# Altium PCB radxa_cm3i_io_board_v1.4.PcbDoc (part 7 of 9) (continued)
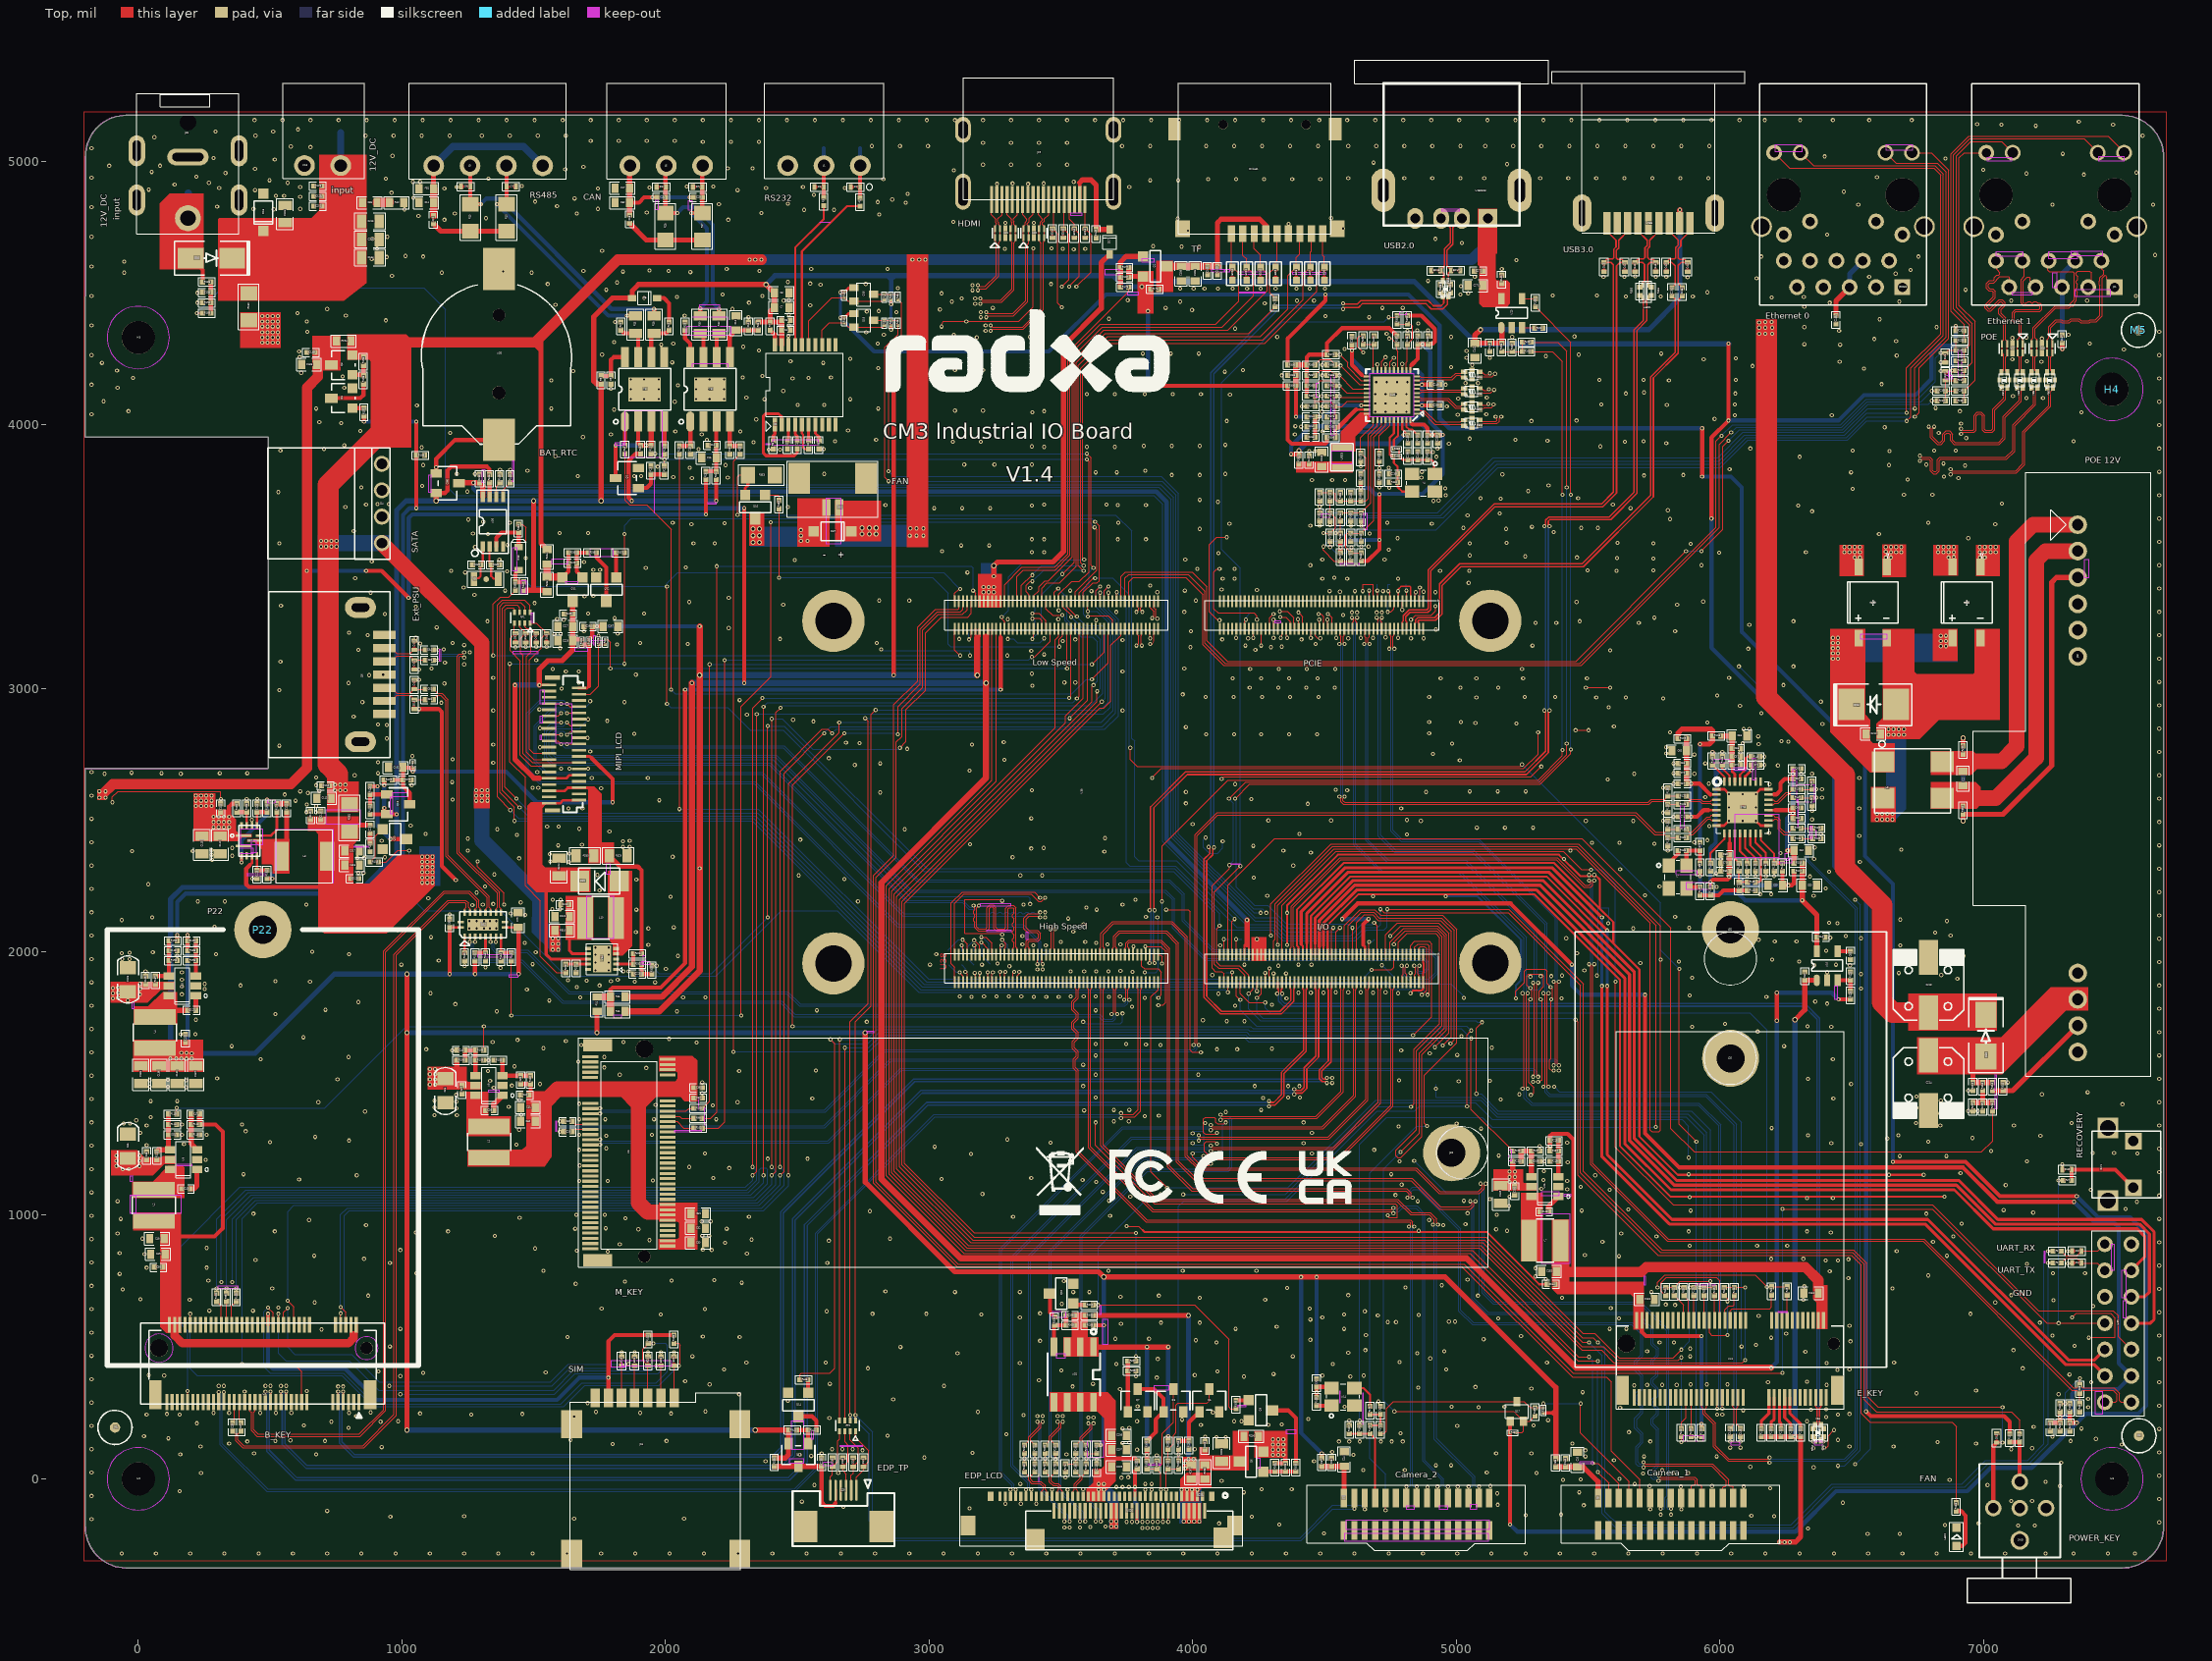
[diagram p0: Top view]
## Nets (pads, with @x,y where several pads share a name; then routed paths per layer and width w, separated by ;. In a path a pad name is that pad's centre, name@x,y a point inside that pad or via, vN(x,y) a via of type N, cw(c..) or ccw(c..) an arc to the next point about the centre after c; other vN are vias at no path point) (continued)
SATA1_RXN: C83.1 U12.11 | length 1188.1
  Top w3.94: C83.1@1120.08,3106.3 v1(1135.83,3106.3) ; v1(1236.22,3116.14) 1230.32,3122.05 1222.44,3122.05 1218.5,3118.11 1218.5,2377.95 1370.47,2225.98 1370.47,2169.29 1376.38,2163.39 U12.11@1376.38,2148.03
  Bottom w3.94: v1(1135.83,3106.3) 1135.83,3116.14 1141.73,3122.05 1230.32,3122.05 v1(1236.22,3116.14)
SATA1_RXP: C84.1 U12.12 | length 1201.6
  Top w3.94: C84.1@1120.08,3145.67 v1(1135.83,3145.67) ; v1(1236.22,3135.83) 1230.32,3129.92 1218.5,3129.92 1210.63,3122.05 1210.63,2429.13 1210.63,2374.02 1362.6,2222.05 1362.6,2169.29 1356.69,2163.39 U12.12@1356.69,2148.03
  Bottom w3.94: v1(1135.83,3145.67) 1135.83,3135.83 1141.73,3129.92 1230.32,3129.92 v1(1236.22,3135.83)
SATA1_TXN: C82.1 U12.13 | length 947.1
  Top w3.94: C82.1@1120.08,2996.06 1135.83,2980.31 1151.57,2980.31 1175.2,2956.69 1175.2,2366.14 1331.1,2210.24 1331.1,2169.29 1337.01,2163.39 U12.13@1337.01,2148.03
SATA1_TXP: C81.1 U12.14 | length 933.7
  Top w3.94: C81.1@1120.08,2956.69 1135.83,2972.44 1147.64,2972.44 1167.32,2952.76 1167.32,2362.2 1323.23,2206.3 1323.23,2169.29 1317.32,2163.39 U12.14@1317.32,2148.03
SDMMC0_CLK: R175.1 U38.57 | length 1830
  Top w3.94: U38.57@3428.15,3329.92 3428.15,3379.92 3447.83,3399.61 3496.06,3399.61 3559.06,3462.6 3559.06,4236.22 3669.29,4346.46 4212.6,4346.46 R175.1@4312.99,4446.85
SDMMC0_CMD: CN14A1.3 ED10.1 U38.62 | length 2242.9
  Top w3.94: v1(3391.73,3187.01) 3391.73,3187.99 3396.65,3192.91 U38.62@3396.65,3225.2 ; v1(3505.91,3433.07) 3551.18,3478.35 3551.18,4246.06 3663.39,4358.27 4133.86,4358.27 4283.46,4507.87 4283.46,4572.24 ED10.1@4257.87,4597.83 4257.87,4643.7 4233.86,4667.72 CN14A1.3@4233.86,4724.19
  Bottom w3.94: v1(3391.73,3187.01) 3427.17,3222.44 3427.17,3354.33 v1(3505.91,3433.07)
SDMMC0_D0: CN14A1.7 ED8.1 U38.63 | length 2285.4
  Top w3.94: U38.63@3380.91,3329.92 3380.91,3353.35 3368.11,3366.14 3368.11,3389.76 3383.86,3405.51 v1(3391.73,3405.51) ; v1(3586.61,3444.88) 3566.93,3464.57 3566.93,4224.41 3677.17,4334.65 4257.87,4334.65 4362.2,4438.98 4362.2,4566.34 ED8.1@4393.7,4597.83 4393.7,4633.86 4407.09,4647.24 CN14A1.7@4407.09,4724.19
  Bottom w3.94: v1(3391.73,3405.51) 3435.04,3448.82 3582.68,3448.82 v1(3586.61,3444.88)
SDMMC0_D1: CN14A1.8 ED7.1 U38.67 | length 2295.7
  Top w3.94: U38.67@3349.41,3329.92 3349.41,3389.76 v1(3391.73,3429.13) ; v1(3586.61,3464.57) 3574.8,3476.38 3574.8,4212.6 3683.07,4320.87 4265.75,4320.87 4419.29,4474.41 4419.29,4570.28 ED7.1@4446.85,4597.83 4446.85,4655.51 4450.39,4659.06 CN14A1.8@4450.39,4724.19
  Bottom w3.94: v1(3391.73,3429.13) 3427.17,3464.57 v1(3586.61,3464.57)
SDMMC0_D2/ARMJTAG_TCK: CN14A1.1 ED12.1 U38.69 | length 2084.4
  Top w3.94: U38.69@3333.66,3329.92 3333.66,3424.21 3358.27,3448.82 3478.35,3448.82 3535.43,3505.91 3535.43,4267.72 3649.61,4381.89 4088.58,4381.89 4175.2,4468.5 4175.2,4574.21 ED12.1@4151.57,4597.83 4147.24,4597.83 CN14A1.1@4147.24,4724.19
SDMMC0_D3/ARMJTAG_TMS: CN14A1.2 ED11.1 U38.61 | length 2029.4
  Top w3.94: U38.61@3396.65,3329.92 3396.65,3350.39 3416.34,3370.08 3416.34,3383.86 3439.96,3407.48 3451.82,3407.48 3543.31,3498.97 3543.31,4255.91 3657.48,4370.08 4112.2,4370.08 4230.32,4488.19 4230.32,4572.24 ED11.1@4204.72,4597.83 4204.72,4627.95 4190.55,4642.13 CN14A1.2@4190.55,4724.19
SDMMC0_DET_L: CN14A1.9 ED6.1 U38.76 | length 2490.9
  Top w3.94: v1(3275.59,3269.69) 3275.59,3262.8 3286.42,3251.97 U38.76@3286.42,3225.2 ; v1(3588.58,3488.19) 3582.68,3494.09 3582.68,4204.72 3687.01,4309.06 4273.62,4309.06 4470.47,4505.91 4470.47,4568.31 ED6.1@4500,4597.83 4500,4635.83 4493.7,4642.13 CN14A1.9@4493.7,4724.19
  Bottom w3.94: v1(3275.59,3269.69) 3301.18,3295.28 3301.18,3421.26 3366.14,3486.22 3586.61,3486.22 v1(3588.58,3488.19)
SDMMC_PWREN: R178.2 U38.75 | length 1459.7
  Top w3.94: U38.75@3286.42,3329.92 3286.42,3392.72 3352.36,3458.66 3476.38,3458.66 3527.56,3509.84 3527.56,4275.59 3757.87,4505.91 R178.2@3757.87,4521.65
SIM1_CLK: ED3.1 J15.C3 U7.32 | length 1862.1
  Top w3.94: U7.32@531.5,584.65 v1(531.5,625.98) ; v1(1965.75,429.13) ED3.1@1983.46,429.13 1983.46,311.02 1983.19,310.75 J15.C3@1983.19,306.5
  Bottom w3.94: v1(531.5,625.98) 531.5,476.38 561.02,446.85 801.18,446.85 911.42,336.61 1576.77,336.61 1649.61,409.45 1946.5,409.45 1965.75,428.7 v1(1965.75,429.13)
SIM1_DATA: ED2.1 J15.C7 R104.2 U7.34 | length 2343.4
  Top w3.94: v1(492.13,649.61) 511.81,629.92 U7.34@511.81,584.65 ; J15.C7@1933.19,306.5 1933.19,310.75 1933.46,311.02 1933.46,428.35 ED2.1@1934.25,429.13 1914.57,448.82 1914.57,492.13 1926.38,503.94 1926.38,505.91 R104.2@1934.25,513.78 v1(1953.94,513.78)
  Bottom w3.94: v1(492.13,649.61) 476.38,633.86 476.38,425.2 500,401.57 777.56,401.57 895.67,283.46 1602.36,283.46 1683.07,364.17 1963.78,364.17 2007.09,407.48 2007.09,505.91 1999.21,513.78 v1(1953.94,513.78)
SIM1_DET: ED1.1 J15.C9 R105.2 U7.66 | length 2475.3
  Top w3.94: U7.66@196.85,584.65 v1(196.85,625.98) ; R105.2@2032.68,513.78 2050.39,513.78 2056.3,507.87 2056.3,435.04 v1(2050.39,429.13) ED1.1@2032.68,429.13 2032.68,322.83 2033.19,322.32 J15.C9@2033.19,306.5
  Bottom w3.94: v1(196.85,625.98) 196.85,417.32 222.44,391.73 771.65,391.73 889.76,273.62 1614.17,273.62 1694.88,354.33 1975.59,354.33 v1(2050.39,429.13)
SIM1_PWR: J15.C1 R104.1 R105.1 U7.36 | length 2088.2
  Top w3.94: J15.C1@1783.19,306.5 J15.C1@1783.46,306.5
  Top w15.75: U7.36@492.13,584.65 v1@492.13,625.98 ; J15.C1@1783.46,306.5 v1(1783.46,383.86) 1783.46,521.65 1807.09,545.28 R104.1@1934.25,545.28 R105.1@2032.68,545.28
  Bottom w15.75: v1(492.13,625.98) 492.13,437.01 511.81,417.32 785.43,417.32 903.54,299.21 1588.58,299.21 1673.23,383.86 v1(1783.46,383.86)
SIM1_RESET: ED5.1 J15.C2 U7.30 | length 1741
  Top w3.94: U7.30@551.18,584.65 551.18,631.89 v1(566.93,647.64) ; v1(1859.45,435.04) 1865.35,429.13 ED5.1@1883.07,429.13 1883.46,428.74 1883.46,309.06 1883.19,308.78 J15.C2@1883.19,306.5
  Bottom w3.94: v1(566.93,647.64) 566.93,500 594.49,472.44 809.06,472.44 913.39,368.11 1564.96,368.11 1631.89,435.04 v1(1859.45,435.04)
SPKN_OUT: J6.58 U39.9 | length 4530.5
  Top w7.87: J6.58@4433.46,1988.58 4433.46,2031.5
  Top w11.81: 4433.46,2031.5 4433.46,2145.67 4588.98,2301.18 5352.36,2301.18 v1(5572.83,2080.71) ; v1(5572.83,1870.08) 5572.83,1230.31 5818.9,984.25 6789.37,984.25 7322.83,450.79 7421.65,450.79 U39.9@7461.42,490.55
  Bottom w11.81: v1(5572.83,1870.08) v1(5572.83,2080.71)
SPKP_OUT: J6.60 U39.11 | length 4616.1
  Top w7.87: 4411.81,2027.56 4417.72,2021.65 J6.60@4417.72,1988.58
  Top w11.81: 4411.81,2027.56 4411.81,2151.57 4579.13,2318.9 5364.17,2318.9 v1(5553.15,2129.92) ; v1(5553.15,1870.08) 5553.15,1222.44 5809.06,966.54 6779.53,966.54 7312.99,433.07 7421.26,433.07 7461.42,392.91 U39.11@7461.42,390.55
  Bottom w11.81: v1(5553.15,1870.08) v1(5553.15,2129.92)
TN1_V+: J21.11 U32.1 | length 1668.3
  Top w3.94: 7037.8,3496.65 7047.24,3496.65 v1(7047.24,3515.75) v1(7047.24,3535.43)
  Power w3.94: v1(6986.22,3496.06) 6994.09,3503.94 ; 6994.09,3515.75 v1(7047.24,3515.75)
  Power w31.5: 6994.09,3503.94 6994.09,3515.75 6994.09,3669.29 7080.71,3755.91 7080.71,4399.61 7145.67,4464.57 7145.67,4544.29 7198.82,4597.44 7198.82,4643.7 7238.19,4683.07 7460.24,4683.07 J21.11@7498.03,4720.87
  other v1: 7005.91,3496.06 6986.22,3515.75 7005.91,3515.75 7027.56,3515.75 6986.22,3535.43 7005.91,3535.43 7027.56,3535.43
TN2_V+: J21.12 U32.2 | length 1666.2
  Top w3.94: 6836.22,3496.65 6867.52,3496.65 v1(6868.11,3496.06)
  Power w3.94: 6879.92,3507.87 6877.95,3507.87 v1(6887.8,3498.03)
  Power w31.5: 6846.3,3501.97 6879.92,3501.97 6879.92,3507.87 6879.92,3612.2 7043.31,3775.59 7043.31,4545.28 7098.43,4600.39 7098.43,4643.7 7178.31,4723.59 7350.75,4723.59 J21.12@7398.03,4770.87
  other v1: 6828.74,3515.75 6848.43,3515.75 6868.11,3515.75 6887.8,3515.75 6828.74,3535.43 6848.43,3535.43 6868.11,3535.43 6887.8,3535.43
TP_INT_1: J6.34 RP2.6 | length 4686.6
  Top w3.94: RP2.6@2680.94,221.29 2680.94,1635.67 v1(2681.1,1635.83) ; J6.34@4622.44,1988.58 4622.44,2110.63 4651.57,2139.76 4683.07,2139.76 4704.72,2118.11 4940.55,2118.11 4982.28,2076.38 4982.28,1677.17 v1(4948.82,1643.7)
  Bottom w3.94: v1(2681.1,1635.83) 2771.65,1635.83 2820.87,1685.04 4200.79,1685.04 4218.5,1667.32 4925.2,1667.32 v1(4948.82,1643.7)
TP_INT_L: J6.95 RP1.7 | length 3979.6
  Top w3.94: v1(1427.17,2496.06) 1427.17,2549.21 1372.05,2604.33 1372.05,3311.02 1385.83,3324.8 1450.94,3324.8 1466.69,3309.06 RP1.7@1466.69,3288.22 ; v1(4133.86,1846.46) 4133.86,1884.25 J6.95@4134.25,1884.65
  Bottom w3.94: v1(1427.17,2496.06) 2328.74,2496.06 2968.5,1856.3 4124.02,1856.3 v1(4133.86,1846.46)
TP_INT_LCD: D53.1 RP1.2 U42.25 | length 631.7
  Top w3.94: RP1.2@1466.69,3247.22 1466.69,3232.28 1472.44,3226.54 1490.16,3226.54 1505.91,3210.79 1507.72,3210.79 D53.1@1509.84,3208.66 1490.16,3188.98 1490.16,3137.8 1472.44,3120.08 1472.44,2757.87 1501.18,2729.13 U42.25@1558.08,2729.13
TP_RST_1: J6.38 RP2.5 | length 4796.5
  Top w3.94: RP2.5@2660.94,221.29 2660.94,1666.85 v1(2661.42,1667.32) ; J6.38@4590.94,1988.58 4590.94,2098.82 4641.73,2149.61 4687.01,2149.61 4708.66,2127.95 4944.88,2127.95 4992.13,2080.71 4992.13,1665.35 v1(4978.35,1651.57)
  Bottom w3.94: v1(2661.42,1667.32) 2765.75,1667.32 2803.15,1704.72 4210.63,1704.72 4216.54,1698.82 4931.1,1698.82 v1(4978.35,1651.57)
TP_RST_L: J6.81 RP1.8 | length 4116
  Top w3.94: v1(1411.42,2537.4) 1362.2,2586.61 1362.2,3314.96 1381.89,3334.65 1465.04,3334.65 1486.69,3312.99 RP1.8@1486.69,3288.22 ; v1(4244.09,1850.39) 4244.09,1884.25 J6.81@4244.49,1884.65
  Bottom w3.94: v1(1411.42,2537.4) 1442.91,2505.91 2334.65,2505.91 2974.41,1866.14 4228.35,1866.14 v1(4244.09,1850.39)
TP_RST_LCD: D49.1 RP1.1 U42.23 | length 626.4
  Top w3.94: RP1.1@1486.69,3247.22 1510.66,3247.22 D49.1@1549.21,3208.66 1529.53,3188.98 1529.53,3151.57 1484.25,3106.3 1484.25,2767.72 1499.21,2752.76 U42.23@1558.08,2752.76
TP_SCL_LCD: D51.1 RP1.4 U42.27 | length 653.3
  Top w3.94: RP1.4@1426.69,3247.22 1426.69,3214.57 1431.85,3209.41 D51.1@1431.1,3208.66 1411.42,3188.98 1411.42,3141.73 1448.82,3104.33 1448.82,2746.06 1489.37,2705.51 U42.27@1558.08,2705.51
TP_SDA_LCD: D50.1 RP1.3 U42.26 | length 742.4
  Top w3.94: RP1.3@1446.69,3247.22 1446.69,3232.28 1446.85,3232.28 D50.1@1470.47,3208.66 1450.79,3188.98 1450.79,3133.86 1460.63,3124.02 1460.63,2751.97 1495.28,2717.32 U42.26@1671.26,2717.32
TX_RS232: R3.2 U1.17 | length 572.4
  Top w7.87: U1.17@2492.13,4303.15 2492.13,4671.26 2600.39,4779.53 R3.2@2600.39,4830.71
UART0_CTSN: J6.89 R49.2 R50.2 R53.1 | length 3727.4
  Top w3.94: J6.89@4181.5,1884.65 4181.5,1840.16 4214.57,1807.09 v1(4275.59,1807.09) ; v1(5763.78,726.38) 5763.78,746.06 5791.34,773.62 6133.86,773.62 v1(6179.13,728.35) R50.2@6196.85,728.35 R49.2@6255.91,728.35 ; v1(5848.43,726.38) R53.1@5864.17,726.38
  Bottom w3.94: v1(4275.59,1807.09) 4275.59,1787.4 4295.28,1767.72 6114.17,1767.72 6179.13,1702.76 v1(6179.13,728.35) ; v1(5763.78,726.38) v1(5848.43,726.38)
UART0_RTSN: J6.83 R51.1 R54.1 | length 2992.3
  Top w3.94: v1(4212.6,1840.55) 4228.74,1856.69 J6.83@4228.74,1884.65 ; v1(5076.77,1460.63) 5076.77,1710.63 v1(5098.43,1732.28) ; R51.1@5795.28,726.38 R54.1@5826.77,726.38 5850.39,750 v1(5964.57,750)
  Bottom w3.94: v1(4212.6,1840.55) 4212.6,1783.46 4257.87,1738.19 5074.8,1738.19 5080.71,1732.28 v1(5098.43,1732.28) ; v1(5076.77,1460.63) 5094.49,1460.63 5159.45,1395.67 5891.73,1395.67 5964.57,1322.83 v1(5964.57,750)
UART0_RX: J6.75 R45.2 | length 3838.1
  Top w3.94: v1(2846.46,3822.83) 2846.46,4289.37 2895.67,4338.58 2895.67,4460.63 R45.2@2881.89,4474.41 ; v1(4291.34,1937.01) 4291.34,1884.25 J6.75@4291.73,1884.65
  Power w3.94: v1(4279.53,2147.64) 4269.69,2137.8 4269.69,1958.66 v1(4291.34,1937.01)
  Bottom w3.94: v1(2846.46,3822.83) 2866.14,3803.15 3881.89,3803.15 3946.85,3738.19 3946.85,2446.85 4230.32,2163.39 4263.78,2163.39 v1(4279.53,2147.64)
UART0_TX: J6.77 R48.2 | length 3733
  Top w3.94: v1(2846.46,3785.43) 2832.68,3799.21 2832.68,4293.31 2881.89,4342.52 R48.2@2881.89,4375.98 ; v1(4275.59,1919.29) 4275.59,1884.25 J6.77@4275.98,1884.65
  Power w3.94: v1(4257.87,2147.64) 4257.87,1937.01 v1(4275.59,1919.29)
  Bottom w3.94: v1(2846.46,3785.43) 3883.86,3785.43 3937.01,3732.28 3937.01,2442.91 4232.28,2147.64 v1(4257.87,2147.64)
UART2_RX: R5.1 U38.51 | length 8811
  Top w3.94: U38.51@3475.39,3329.92 3475.39,3364.17 3489.17,3377.95 v1(3490.16,3377.95) ; v1(3637.8,2988.19) 3637.8,2948.82 2887.8,2198.82 2887.8,1183.07 3165.35,905.51 5108.27,905.51 5478.35,535.43 5519.69,535.43 v1(5537.4,517.72) ; v1(7246.06,864.17) R5.1@7263.78,864.17
  Bottom w3.94: v1(3490.16,3377.95) 3523.62,3344.49 3523.62,3259.84 3574.8,3208.66 3625.98,3208.66 3649.61,3185.04 3649.61,3000 v1(3637.8,2988.19) ; v1(5537.4,517.72) 5564.96,490.16 5564.96,-125.98 5614.17,-175.2 6269.69,-175.2 6425.2,-19.69 6919.29,-19.69 7007.87,68.9 7167.32,68.9 7230.32,131.89 7230.32,848.43 v1(7246.06,864.17)
UART2_TX: R6.1 U38.55 | length 8718
  Top w3.94: U38.55@3443.9,3329.92 3443.9,3301.3 3469.12,3277.56 v1(3505.91,3277.56) ; v1(3624.02,3011.81) 3618.11,3005.91 3618.11,2948.82 2877.95,2208.66 2877.95,1175.2 3157.48,895.67 5100.39,895.67 5478.35,517.72 v1(5503.94,517.72) ; v1(7246.06,818.9) R6.1@7263.78,818.9
  Bottom w3.94: v1(3505.91,3277.56) 3515.75,3267.72 3515.75,3255.91 3576.77,3194.88 3620.08,3194.88 3639.76,3175.2 3639.76,3027.56 v1(3624.02,3011.81) ; v1(5503.94,517.72) 5553.15,468.5 5553.15,-131.89 5606.3,-185.04 6277.56,-185.04 6431.1,-31.5 6929.13,-31.5 7019.69,59.06 7173.23,59.06 7246.06,131.89 v1(7246.06,818.9)
UART5_RX_M1: R14.1 U38.26 | length 2849.5
  Top w3.94: R14.1@1846.46,3889.76 1846.46,3712.6 1864.17,3694.88 1929.13,3694.88 2021.65,3602.36 v1(2021.65,2994.09) ; v1(3618.11,3033.46) 3618.11,3034.45 3680.12,3096.46 U38.26@3680.12,3225.2
  Bottom w3.94: v1(2021.65,2994.09) 2037.4,2978.35 3541.34,2978.35 3596.46,3033.46 v1(3618.11,3033.46)
UART5_TX_M1: R20.1 R22.1 U38.49 | length 2254.7
  Top w3.94: R22.1@1996.06,3842.52 v1(1996.06,3868.11) R20.1@1996.06,3887.8 ; U38.49@3491.14,3329.92 3492.13,3329.92 3492.13,3356.3 3541.34,3405.51 3570.87,3405.51 3606.3,3440.94 3606.3,3860.24 v1(3598.43,3868.11)
  Bottom w3.94: v1(1996.06,3868.11) v1(3598.43,3868.11)
USB2_HOST2_DM: FB15.1 J6.65 R422.1 | length 3867.4
  Top w5.91: v1(4080.71,2395.67) 4076.77,2391.73 4076.77,2368.11 4053.15,2344.49 4053.15,1830.85 4110.38,1773.62 4331.95,1773.62 4373.43,1815.1 4373.43,1855.31 4370.47,1858.27 J6.65@4370.47,1884.65 ; v1(4570.87,4438.98) 4576.77,4444.88 4629.92,4444.88 4643.7,4458.66 4885.83,4458.66 4905.51,4438.98 4948.82,4438.98 4966.54,4456.69 4966.54,4482.68 FB15.1@4970.87,4487.01 4970.87,4492.52 R422.1@4978.35,4500
  Bottom w5.91: v1(4080.71,2395.67) 4080.71,4192.91 4329.64,4441.84 4568,4441.84 v1(4570.87,4438.98)
USB2_HOST2_DP: FB15.4 J6.63 R423.1 | length 3901.4
  Top w5.91: v1(4061.02,2397.64) 4064.96,2393.7 4064.96,2372.49 4043.31,2350.84 4043.31,1826.77 4106.3,1763.78 4336.02,1763.78 4383.27,1811.02 4383.27,1855.31 4386.22,1858.27 J6.63@4386.22,1884.65 ; v1(4570.87,4460.63) 4574.8,4456.69 4624.02,4456.69 4637.8,4470.47 4893.7,4470.47 4913.39,4450.79 4942.91,4450.79 4952.76,4460.63 4952.76,4483.46 FB15.4@4949.21,4487.01 4949.21,4491.73 R423.1@4940.94,4500
  Bottom w5.91: v1(4061.02,2397.64) 4068.9,2405.51 4068.9,4196.85 4324.8,4452.76 4562.99,4452.76 v1(4570.87,4460.63)
USB2_HOST3_DM: FB4.4 J6.71 R210.1 | length 3791.3
  Top w3.94: R210.1@6354.33,159.45 6362.2,151.57 6362.2,146.85 FB4.4@6362.6,146.46
  Top w5.91: v1(4320.87,1840.55) 4325.98,1845.67 4325.98,1855.12 4323.23,1857.87 J6.71@4323.23,1884.65 ; v1(6354.33,141.73) R210.1@6354.33,159.45
  Bottom w5.91: v1(4320.87,1840.55) 4325.79,1835.63 4325.79,1812.99 4345.47,1793.31 6319.74,1793.31 6369.09,1743.95 6369.09,156.5 v1(6354.33,141.73)
USB2_HOST3_DP: FB4.1 J6.69 R209.1 | length 3788.3
  Top w3.94: FB4.1@6384.25,146.46 R209.1@6393.7,155.91
  Top w5.91: J6.69@4338.98,1884.65 4338.98,1858.27 4335.83,1855.12 4335.83,1845.28 v1(4340.55,1840.55) ; v1(6393.7,141.73) 6393.7,155.91 R209.1@6393.7,159.45
  Bottom w5.91: v1(4340.55,1840.55) 4335.63,1835.63 4335.63,1817.07 4349.55,1803.15 6323.82,1803.15 6378.94,1748.03 6378.94,156.5 v1(6393.7,141.73)
USB3_HOST1_DM: J6.47 U7.9 | length 5539
  Top w5.91: U7.9@757.87,291.34 v1(757.87,330.71) ; v1(4509.84,1501.97) 4504.92,1506.89 4492.13,1506.89 4480.32,1518.7 4480.32,1551.18 4515.16,1586.02 4515.16,1855.31 4512.2,1858.27 J6.47@4512.2,1884.65
  Bottom w5.91: v1(757.87,330.71) 762.8,325.79 762.8,135.83 815.94,82.68 2415.49,82.68 2446.85,114.03 2446.85,1007.87 2945.87,1506.89 4504.92,1506.89 v1(4509.84,1501.97)
USB3_HOST1_DP: J6.45 U7.7 | length 5506.4
  Top w5.91: U7.7@777.56,291.34 v1(777.56,330.71) ; v1(4509.84,1521.65) 4504.92,1516.73 4496.2,1516.73 4490.16,1522.78 4490.16,1547.1 4525,1581.95 4525,1855.31 4527.95,1858.27 J6.45@4527.95,1884.65
  Bottom w5.91: v1(777.56,330.71) 772.64,325.79 772.64,139.9 820.02,92.52 2411.42,92.52 2437.01,118.11 2437.01,1011.95 2941.79,1516.73 4504.92,1516.73 v1(4509.84,1521.65)
USB3_HOST1_SSRXN: J6.59 U7.35 | length 5742
  Top w5.91: U7.35@501.97,291.34 v1(501.97,330.71) ; v1(4289.37,1433.07) 4294.29,1428.15 4308.07,1428.15 4336.61,1456.69 4336.61,1541.86 4420.67,1625.91 4420.67,1855.31 4417.72,1858.27 J6.59@4417.72,1884.65
  Bottom w5.91: v1(501.97,330.71) 497.05,325.79 497.05,108.41 600.53,4.92 2466.54,4.92 2527.56,65.94 2527.56,964.71 2991,1428.15 4284.45,1428.15 v1(4289.37,1433.07)
USB3_HOST1_SSRXP: J6.57 U7.37 | length 5774.7
  Top w5.91: U7.37@482.28,291.34 v1(482.28,330.71) ; v1(4289.37,1413.39) 4294.29,1418.31 4312.15,1418.31 4346.46,1452.62 4346.46,1537.78 4430.51,1621.84 4430.51,1855.31 4433.46,1858.27 J6.57@4433.46,1884.65
  Bottom w5.91: v1(482.28,330.71) 487.2,325.79 487.2,104.33 596.46,-4.92 2470.61,-4.92 2537.4,61.87 2537.4,960.63 2995.08,1418.31 4284.45,1418.31 v1(4289.37,1413.39)
USB3_HOST1_SSTXN: J6.53 U7.29 | length 5681.6
  Top w5.91: U7.29@561.02,291.34 v1(561.02,330.71) ; v1(4385.83,1478.35) 4390.75,1473.43 4411.35,1473.43 4423.23,1485.31 4423.23,1559.06 4467.91,1603.74 4467.91,1855.31 4464.96,1858.27 J6.53@4464.96,1884.65
  Bottom w5.91: v1(561.02,330.71) 556.1,325.79 556.1,134 639.9,50.2 2440.81,50.2 2482.28,91.68 2482.28,986.36 2969.35,1473.43 4380.91,1473.43 v1(4385.83,1478.35)
USB3_HOST1_SSTXP: J6.51 U7.31 | length 5714.3
  Top w5.91: U7.31@541.34,291.34 v1(541.34,330.71) ; v1(4385.83,1458.66) 4390.75,1463.58 4415.42,1463.58 4433.07,1481.23 4433.07,1554.98 4477.76,1599.66 4477.76,1855.31 4480.71,1858.27 J6.51@4480.71,1884.65
  Bottom w5.91: v1(541.34,330.71) 546.26,325.79 546.26,129.92 635.83,40.35 2444.88,40.35 2492.13,87.6 2492.13,982.28 2973.43,1463.58 4380.91,1463.58 v1(4385.83,1458.66)
USB3_OTG0_SSRXN: D41.2 J7.11 USB6.5 | length 2221.8
  Top w5.91: J7.11@4796.06,3225.59 4796.06,3251.97 4799.02,3254.92 4799.02,3274.68 4821.58,3297.24 4888.64,3297.24 4893.7,3302.31 4893.7,3448.96 5143.56,3698.82 5551.18,3698.82 5596.46,3744.09 5596.46,4606.3 5586.61,4616.14 D41.2@5561.02,4616.14 5573.33,4628.44 5593.22,4628.44 5597.65,4632.87 5597.65,4665.35 5606.5,4674.2 5606.5,4699.41 5572.05,4733.86 USB6.5@5572.05,4763.39
USB3_OTG0_SSRXP: D42.2 J7.9 USB6.6 | length 2213.1
  Top w5.91: J7.9@4811.81,3225.59 4811.81,3251.97 4808.86,3254.92 4808.86,3270.6 4825.66,3287.4 4892.72,3287.4 4903.54,3298.23 4903.54,3444.88 5147.64,3688.98 5557.09,3688.98 5608.27,3740.16 5608.27,4602.36 5622.05,4616.14 D42.2@5639.76,4616.14 5628.94,4626.97 5613.4,4626.97 5607.49,4632.87 5607.49,4661.28 5616.34,4670.12 5616.34,4699.41 5650.79,4733.86 USB6.6@5650.79,4763.39
USB3_OTG0_SSTXN: C234.1 J7.5 | length 1986.2
  Top w5.91: J7.5@4843.31,3225.59 4843.31,3245.08 4846.26,3248.03 4846.26,3259.84 4854.13,3267.72 4918.31,3267.72 4937.01,3286.42 4937.01,3395.67 5013.78,3472.44 5478.35,3472.44 5738.19,3732.28 5738.19,4181.24 5830.71,4273.76 5830.71,4476.38 C234.1@5818.9,4488.19
USB3_OTG0_SSTXP: C235.1 J7.3 | length 1988.7
  Top w5.91: J7.3@4859.06,3225.59 4859.06,3245.28 4856.1,3248.23 4856.1,3255.77 4858.21,3257.87 4922.38,3257.87 4946.85,3282.34 4946.85,3389.76 5017.72,3460.63 5482.28,3460.63 5748.03,3726.38 5748.03,4177.17 5842.52,4271.65 5842.52,4472.44 C235.1@5858.27,4488.19
USB3_OTG0_VBUSDET: J6.97 R203.2 | length 3802.4
  Top w3.94: J6.97@4118.5,1884.65 4118.5,1917.32 4110.63,1925.2 4086.61,1925.2 4074.8,1937.01 4074.8,2250 4139.76,2314.96 v1(4139.76,2328.74) ; v1(4137.8,2580.71) 4200.79,2643.7 5314.96,2643.7 5419.29,2748.03 v1(5419.29,2789.37) ; R203.2@5283.46,4312.99 5385.83,4312.99 5419.29,4279.53 5419.29,4007.87 ; 5418.31,4008.86 5419.29,4007.87 ; v1(5419.29,3761.81) 5419.29,4007.87
  Bottom w3.94: v1(4137.8,2580.71) 4155.51,2562.99 4155.51,2344.49 v1(4139.76,2328.74) ; v1(5419.29,2789.37) v1(5419.29,3761.81)
USB_OTG0_DM: L6801.4 R355.2 U38.103 | length 4253.1
  Top w5.91: U38.103@3853.35,1988.58 3853.35,1959.65 v1(3856.3,1956.69) ; v1(3856.3,2157.48) 3852.36,2161.42 3852.36,2545.28 3979.33,2672.24 5266.73,2672.24 5349.41,2754.92 5349.41,2910.43 v1(5354.33,2915.35) ; v1(5354.33,3614.17) 5349.41,3619.09 5349.41,3633.72 5355.45,3639.76 5586.61,3639.76 5685.04,3738.19 5685.04,4356.3 5722.44,4393.7 5722.44,4474.4 L6801.4@5729.33,4481.3 5730.32,4482.28 5732.28,4482.28 R355.2@5740.16,4490.16
  Bottom w5.91: v1(3856.3,1956.69) 3851.38,1961.61 3851.38,2152.56 v1(3856.3,2157.48) ; v1(5354.33,2915.35) 5349.41,2920.28 5349.41,3609.25 v1(5354.33,3614.17)
USB_OTG0_DP: L6801.2 R356.2 U38.105 | length 4249.6
  Top w5.91: v1(3836.61,1956.69) 3836.61,1987.6 U38.105@3837.6,1988.58 ; v1(3836.61,2157.48) 3840.55,2161.42 3840.55,2549.21 3974.41,2683.07 5261.81,2683.07 5339.57,2760.83 5339.57,2910.43 v1(5334.65,2915.35) ; v1(5334.65,3614.17) 5339.57,3619.09 5339.57,3637.8 5351.38,3649.61 5580.71,3649.61 5675.2,3744.09 5675.2,4360.38 5710.63,4395.81 5710.63,4478.34 L6801.2@5707.67,4481.3 5698.81,4490.16 R356.2@5696.85,4490.16
  Bottom w5.91: v1(3836.61,1956.69) 3841.54,1961.61 3841.54,2152.56 v1(3836.61,2157.48) ; v1(5334.65,2915.35) 5339.57,2920.28 5339.57,3609.25 v1(5334.65,3614.17)
USB_OTG0_ID: R204.2 U38.101 | length 3785.2
  Top w3.94: U38.101@3869.09,1988.58 3877.95,1988.58 3883.86,1982.68 v1(3883.86,1954.72) ; v1(3883.86,2190.94) 3883.86,2401.57 4133.86,2651.57 5311.02,2651.57 5403.54,2744.09 v1(5403.54,2765.75) ; R204.2@5283.46,4277.56 5366.14,4277.56 5403.54,4240.16 v1(5403.54,3734.25)
  Bottom w3.94: v1(3883.86,1954.72) v1(3883.86,2190.94) ; v1(5403.54,2765.75) v1(5403.54,3734.25)
USB_PWR_H: J6.36 R200.2 | length 4039.8
  Top w3.94: v1(4161.42,2580.71) 4216.54,2635.83 5318.9,2635.83 5435.04,2751.97 v1(5435.04,2767.72) ; v1(4606.3,2090.55) 4606.69,2090.16 J6.36@4606.69,1988.58 ; R200.2@5301.18,4446.85 5435.04,4312.99 v1(5435.04,3734.25)
  Bottom w3.94: v1(4161.42,2580.71) 4165.35,2576.77 4165.35,2244.09 4234.25,2175.2 4285.43,2175.2 4356.3,2104.33 4592.52,2104.33 v1(4606.3,2090.55) ; v1(5435.04,2767.72) v1(5435.04,3734.25)
VCC: C59.1 C60.1 C61.1 C70.2 C71.2 R117.2 R122.1 R124.1 R138.1 U11.10 U11.28 | length 1407
  Top w9.84: 6037.4,2411.42 U11.10@6037.4,2448.82 ; U11.28@6096.46,2645.67 6096.46,2665.35 v1(6120.08,2688.98) C71.2@6120.08,2708.66
  Top w15.75: R138.1@5964.57,2246.06 v1(5964.57,2263.78) 5974.41,2273.62 6029.53,2273.62 6035.43,2279.53 v1(6035.43,2285.43) C61.1@6035.43,2305.12 ; R122.1@5972.44,2740.16 v1(5972.44,2757.87) ; C60.1@6035.43,2368.11 6037.4,2370.08 6037.4,2411.42 ; R124.1@6238.19,2305.12 C59.1@6238.19,2251.97 v1(6259.84,2251.97) 6273.62,2251.97 6281.5,2259.84 R117.2@6281.5,2305.12
  Top w19.68: C61.1@6035.43,2305.12 C70.2@6035.43,2336.61 C60.1@6035.43,2368.11
  Bottom w15.75: v1(5964.57,2263.78) 5964.57,2393.7 5984.25,2413.39 5984.25,2671.26 ; v1(5972.44,2757.87) 5972.44,2700.79 5984.25,2688.98 ; v1(6035.43,2285.43) 6072.83,2285.43 6106.3,2251.97 v1(6259.84,2251.97) ; v1(6120.08,2688.98) 6001.97,2688.98 ; 5984.25,2671.26 6001.97,2688.98 ; 5984.25,2671.26 5984.25,2688.98 ; 5984.25,2688.98 6001.97,2688.98
VCC3V3_485: C9.1 R9.1 U2.8 | length 155.3
  Top w15.75: R9.1@1755.91,4185.04 C9.1@1793.31,4185.04 1793.31,4246.07 1803.15,4255.91 U2.8@1846.06,4255.91
VCC3V3_CAN: C13.1 C14.1 R25.2 U3.5 | length 196.8
  Top w15.75: U3.5@2244.09,4255.91 2244.09,4334.64 C13.1@2267.72,4358.27 C14.1@2314.96,4358.27 R25.2@2352.36,4358.27
VCC3V3_MKEY: C31.1 C32.1 C33.1 C34.1 C35.1 C39.1 C40.1 C41.1 C42.1 L1.2 R107.1 U6.2 U6.4 U6.12 U6.14 U6.16 U6.18 U6.70 U6.72 U6.74 | length 1615.4
  Top w7.87: U6.72@2008.46,1572.05 2008.47,1570.87 2084.65,1570.87 ; 2057.09,1011.81 2090.55,1011.81 C31.1@2096.46,1005.91
  Top w15.75: C39.1@1450.79,1498.03 R107.1@1488.19,1498.03 1488.19,1458.66 1484.25,1458.66 C42.1@1482.28,1456.69 ; C41.1@1505.91,1409.45 1505.91,1417.91 1509.84,1421.85 1537.4,1421.85
  Top w59.06: 1537.4,1421.85 1537.4,1425.2 1590.55,1478.35 1842.52,1478.35 ; 2057.09,1011.81 1933.07,1011.81 1897.64,1047.24 1897.64,1423.23 ; 2084.65,1570.87 2084.65,1478.35 1952.76,1478.35 ; 1842.52,1478.35 1952.76,1478.35 ; 1842.52,1478.35 1897.64,1423.23 ; 1897.64,1423.23 1952.76,1478.35
VCC3V3_PHY1: C257.1 C258.1 C259.1 C260.1 C261.1 R366.1 R368.1 R371.2 R377.2 R385.2 R392.1 R399.2 U41.11 U41.29 U41.40 | length 2518.1
  Top w7.87: 4620.08,4057.09 U41.29@4661.42,4057.09 ; U41.40@4826.77,4017.72 4826.77,4007.87 4830.71,4003.94 ; U41.11@4826.77,4206.69 4826.77,4222.44 4830.71,4226.38
  Top w15.75: R399.2@4541.34,3950.79 v1(4541.34,3972.44) C261.1@4541.34,3990.16 4553.15,3990.16 4620.08,4057.09 ; R377.2@4561.02,3513.78 v1(4561.02,3533.46) R385.2@4561.02,3557.09 ; R366.1@4637.8,3742.13 v1(4637.8,3759.84) R371.2@4637.8,3781.5 ; R368.1@4639.76,3482.28 4663.39,3482.28 4708.66,3527.56 v1(4708.66,3562.99) v1(4708.66,3736.22) ; R392.1@4814.96,4413.39 4868.11,4413.39 4919.29,4362.2 4919.29,4314.96 4911.42,4307.09 4897.64,4307.09 4895.67,4305.12 C258.1@4893.7,4305.12 v1(4872.05,4305.12) C257.1@4854.33,4305.12 4854.33,4250 4830.71,4226.38 ; 4830.71,4003.94 4834.65,4000 4877.95,4000 4891.73,3986.22 C260.1@4891.73,3960.63 v1(4909.45,3960.63) C259.1@4929.13,3960.63 v1(4948.82,3960.63)
  Bottom w15.75: v1(4541.34,3972.44) 4706.69,3972.44 4736.22,4001.97 4868.11,4001.97 v1(4909.45,3960.63) ; v1(4561.02,3533.46) 4590.55,3562.99 v1(4708.66,3562.99) ; v1(4637.8,3759.84) 4669.29,3759.84 4692.91,3736.22 v1(4708.66,3736.22) 4709.95,3737.51 4873.33,3737.51 4948.82,3812.99 v1(4948.82,3960.63) 4948.82,3962.6 4901.57,4009.84 4901.57,4275.59 v1(4872.05,4305.12)